# Altium PCB STM32F207VC.PcbDoc (part 11 of 16) (continued)
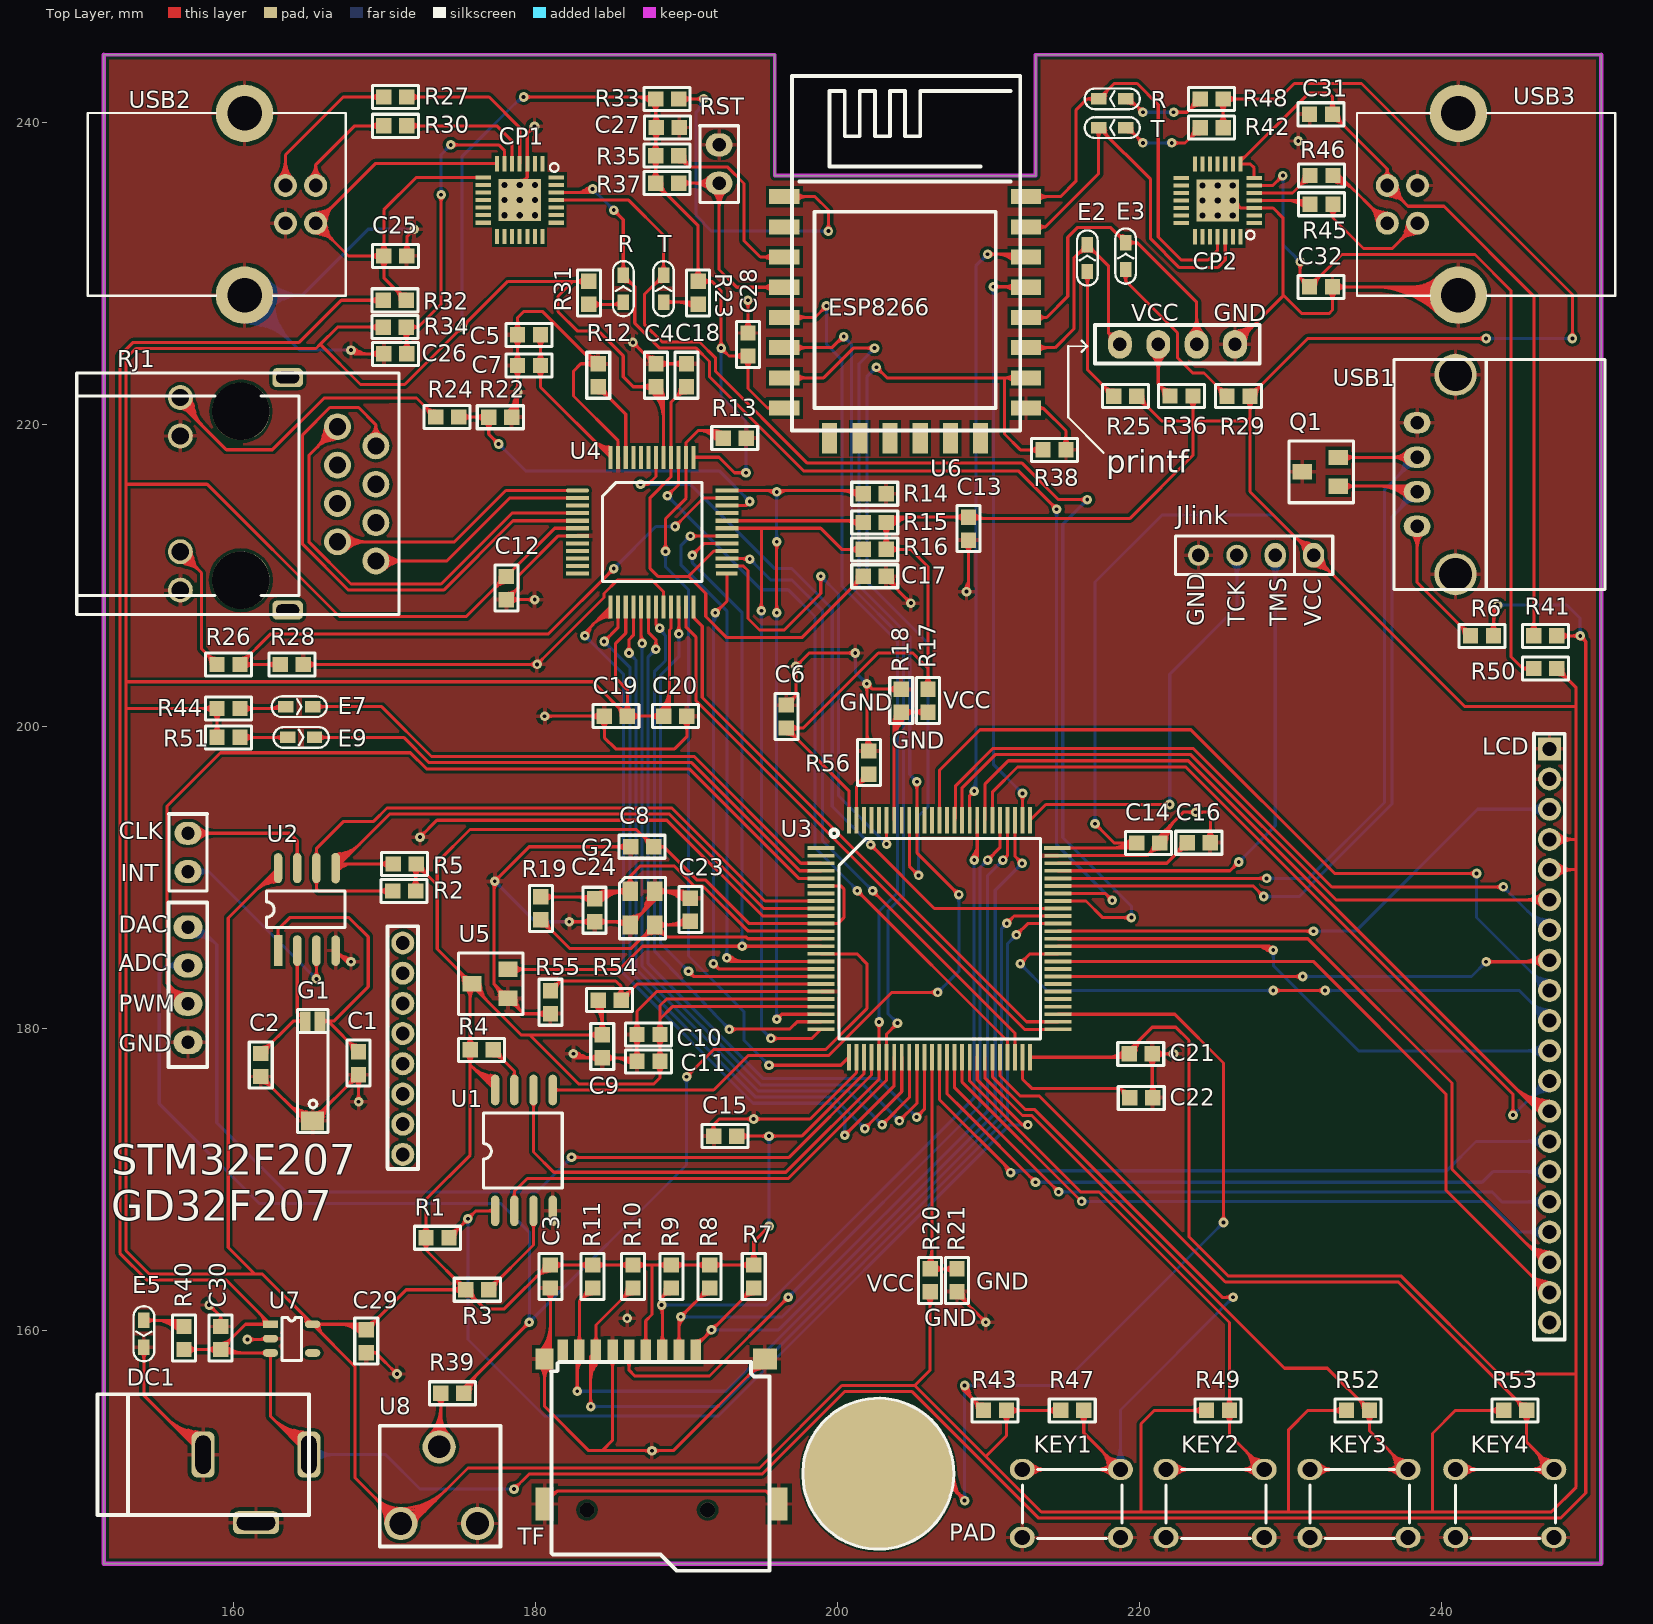
[diagram p0: Top Layer view]
## Nets (pads, with @x,y where several pads share a name; then routed paths per layer and width w, separated by ;. In a path a pad name is that pad's centre, name@x,y a point inside that pad or via, vN(x,y) a via of type N, cw(c..) or ccw(c..) an arc to the next point about the centre after c; other vN are vias at no path point) (continued)
NetR6_1: R6.1 USB1.1 | length 39.4
  Top Layer w0.203: USB1.1@238.376,213.245 238.376,209.529 R6.1@241.918,205.988 ; USB1.1@237.954,212.823 cw(c236.935,211.804) 238.376,211.804 ; USB1.1@237.954,212.823 cw(c236.935,211.804) 238.376,211.804 ; USB1.1@237.954,212.823 cw(c236.935,211.804) 238.376,211.804 ; USB1.1@237.954,212.823 cw(c236.935,211.804) 238.376,211.804 ; USB1.1@238.098,212.967 cw(c237.426,212.295) 238.376,212.295 ; USB1.1@238.098,212.967 cw(c237.426,212.295) 238.376,212.295 ; USB1.1@238.098,212.967 cw(c237.426,212.295) 238.376,212.295 ; USB1.1@238.098,212.967 cw(c237.426,212.295) 238.376,212.295 ; 238.376,211.804 cw(c239.817,211.804) USB1.1@238.798,212.823 ; 238.376,211.804 cw(c239.817,211.804) USB1.1@238.798,212.823 ; 238.376,211.804 cw(c239.817,211.804) USB1.1@238.798,212.823 ; 238.376,211.804 cw(c239.817,211.804) USB1.1@238.798,212.823 ; 238.376,212.295 cw(c239.327,212.295) USB1.1@238.655,212.967 ; 238.376,212.295 cw(c239.327,212.295) USB1.1@238.655,212.967 ; 238.376,212.295 cw(c239.327,212.295) USB1.1@238.655,212.967 ; 238.376,212.295 cw(c239.327,212.295) USB1.1@238.655,212.967 ; 241.224,206.682 cw(c240.53,205.988) R6.1@241.511,205.988 ; 241.224,206.682 ccw(c241.918,207.376) R6.1@241.918,206.394 ; 241.224,206.682 cw(c240.53,205.988) R6.1@241.511,205.988 ; 241.224,206.682 ccw(c241.918,207.376) R6.1@241.918,206.394 ; 241.224,206.682 ccw(c241.918,207.376) R6.1@241.918,206.394 ; 241.224,206.682 cw(c240.53,205.988) R6.1@241.511,205.988 ; 241.224,206.682 ccw(c241.918,207.376) R6.1@241.918,206.394 ; 241.224,206.682 cw(c240.53,205.988) R6.1@241.511,205.988 ; 241.374,206.5 ccw(c242.06,206.684) R6.1@241.918,205.988 ; 241.374,206.5 ccw(c242.06,206.684) R6.1@241.918,205.988 ; 241.374,206.5 ccw(c242.06,206.684) R6.1@241.918,205.988 ; 241.374,206.5 ccw(c242.06,206.684) R6.1@241.918,205.988 ; 241.374,206.5 ccw(c242.06,206.684) R6.1@241.918,205.988 ; 241.374,206.5 ccw(c242.06,206.684) R6.1@241.918,205.988 ; 241.406,206.532 cw(c241.222,205.846) R6.1@241.918,205.988 ; 241.406,206.532 cw(c241.222,205.846) R6.1@241.918,205.988 ; 241.406,206.532 cw(c241.222,205.846) R6.1@241.918,205.988 ; 241.406,206.532 cw(c241.222,205.846) R6.1@241.918,205.988 ; 241.406,206.532 cw(c241.222,205.846) R6.1@241.918,205.988 ; 241.406,206.532 cw(c241.222,205.846) R6.1@241.918,205.988
NetR12_2: R12.2 U4.46 | length 21
  Top Layer w0.203: U4.46@185.965,217.815 185.965,220.665 R12.2@184.144,222.487 ; R12.2@184.144,222.08 cw(c184.144,221.099) 184.838,221.793 ; R12.2@184.144,222.08 cw(c184.144,221.099) 184.838,221.793 ; R12.2@184.144,222.08 cw(c184.144,221.099) 184.838,221.793 ; R12.2@184.144,222.08 cw(c184.144,221.099) 184.838,221.793 ; R12.2@184.144,222.487 cw(c184.002,221.791) 184.688,221.975 ; R12.2@184.144,222.487 ccw(c184.84,222.629) 184.656,221.943 ; R12.2@184.144,222.487 ccw(c184.84,222.629) 184.656,221.943 ; R12.2@184.144,222.487 cw(c184.002,221.791) 184.688,221.975 ; R12.2@184.144,222.487 ccw(c184.84,222.629) 184.656,221.943 ; R12.2@184.144,222.487 cw(c184.002,221.791) 184.688,221.975 ; R12.2@184.144,222.487 cw(c184.002,221.791) 184.688,221.975 ; R12.2@184.144,222.487 ccw(c184.84,222.629) 184.656,221.943 ; R12.2@184.144,222.487 cw(c184.002,221.791) 184.688,221.975 ; R12.2@184.144,222.487 ccw(c184.84,222.629) 184.656,221.943 ; R12.2@184.144,222.487 ccw(c184.84,222.629) 184.656,221.943 ; R12.2@184.144,222.487 cw(c184.002,221.791) 184.688,221.975 ; R12.2@184.55,222.487 ccw(c185.532,222.487) 184.838,221.793 ; R12.2@184.55,222.487 ccw(c185.532,222.487) 184.838,221.793 ; R12.2@184.55,222.487 ccw(c185.532,222.487) 184.838,221.793 ; R12.2@184.55,222.487 ccw(c185.532,222.487) 184.838,221.793
NetR15_2: R15.2 U4.32 | length 18.1
  Top Layer w0.203: U4.32@192.668,213.612 201.574,213.612 R15.2@201.693,213.493 ; 200.424,213.612 cw(c200.424,212.224) R15.2@201.406,213.206 ; 200.424,213.612 cw(c200.424,212.224) R15.2@201.406,213.206 ; 200.424,213.612 cw(c200.424,212.224) R15.2@201.406,213.206 ; 200.424,213.612 cw(c200.424,212.224) R15.2@201.406,213.206 ; 200.915,213.612 cw(c200.915,212.714) R15.2@201.55,213.349 ; 200.915,213.612 cw(c200.915,212.714) R15.2@201.55,213.349 ; 200.915,213.612 cw(c200.915,212.714) R15.2@201.55,213.349 ; 200.915,213.612 cw(c200.915,212.714) R15.2@201.55,213.349 ; 201,213.612 ccw(c201,214.186) R15.2@201.406,213.78 ; 201,213.612 ccw(c201,214.186) R15.2@201.406,213.78 ; 201,213.612 ccw(c201,214.186) R15.2@201.406,213.78 ; 201,213.612 ccw(c201,214.186) R15.2@201.406,213.78
NetR24_2: R24.2 RJ1.9 | length 114.5
  Top Layer w0.203: RJ1.9@156.466,221.768 156.466,221.359 159.512,218.313 162.56,218.313 165.989,221.742 172.108,221.742 R24.2@173.372,220.478 ; RJ1.9@156.174,221.778 ccw(c156.992,221.75) 156.78,220.96 ; RJ1.9@156.174,221.778 ccw(c156.992,221.75) 156.78,220.96 ; RJ1.9@156.174,221.778 ccw(c156.992,221.75) 156.78,220.96 ; RJ1.9@156.174,221.778 ccw(c156.992,221.75) 156.78,220.96 ; RJ1.9@156.174,221.778 ccw(c156.992,221.75) 156.78,220.96 ; RJ1.9@156.423,221.662 cw(c155.718,219.913) 157.545,220.38 ; RJ1.9@156.423,221.662 cw(c155.718,219.913) 157.545,220.38 ; RJ1.9@156.423,221.662 cw(c155.718,219.913) 157.545,220.38 ; RJ1.9@156.423,221.662 cw(c155.718,219.913) 157.545,220.38 ; RJ1.9@156.423,221.662 cw(c155.718,219.913) 157.545,220.38 ; RJ1.9@156.429,221.453 cw(c156.349,220.783) 157.001,220.957 ; RJ1.9@156.429,221.453 cw(c156.349,220.783) 157.001,220.957 ; RJ1.9@156.429,221.453 cw(c156.349,220.783) 157.001,220.957 ; RJ1.9@156.429,221.453 cw(c156.349,220.783) 157.001,220.957 ; RJ1.9@156.429,221.453 cw(c156.349,220.783) 157.001,220.957 ; RJ1.9@156.429,221.453 cw(c156.349,220.783) 157.001,220.957 ; RJ1.9@156.435,221.658 cw(c156.116,220.545) 157.234,220.845 ; RJ1.9@156.435,221.658 cw(c156.116,220.545) 157.234,220.845 ; RJ1.9@156.435,221.658 cw(c156.116,220.545) 157.234,220.845 ; RJ1.9@156.435,221.658 cw(c156.116,220.545) 157.234,220.845 ; RJ1.9@156.435,221.658 cw(c156.116,220.545) 157.234,220.845 ; RJ1.9@156.435,221.658 cw(c156.116,220.545) 157.234,220.845 ; RJ1.9@156.466,221.044 cw(c156.466,220.284) 157.004,220.821 ; RJ1.9@156.466,221.044 cw(c156.466,220.284) 157.004,220.821 ; RJ1.9@156.466,221.044 cw(c156.466,220.284) 157.004,220.821 ; RJ1.9@156.466,221.044 cw(c156.466,220.284) 157.004,220.821 ; RJ1.9@156.49,221.853 cw(c156.231,220.948) 157.141,221.192 ; RJ1.9@156.49,221.853 cw(c156.231,220.948) 157.141,221.192 ; RJ1.9@156.49,221.853 cw(c156.231,220.948) 157.141,221.192 ; RJ1.9@156.49,221.853 cw(c156.231,220.948) 157.141,221.192 ; RJ1.9@156.49,221.853 cw(c156.231,220.948) 157.141,221.192 ; RJ1.9@156.49,221.853 cw(c156.231,220.948) 157.141,221.192 ; RJ1.9@156.499,221.85 cw(c155.904,220.375) 157.445,220.769 ; RJ1.9@156.499,221.85 cw(c155.904,220.375) 157.445,220.769 ; RJ1.9@156.499,221.85 cw(c155.904,220.375) 157.445,220.769 ; RJ1.9@156.499,221.85 cw(c155.904,220.375) 157.445,220.769 ; RJ1.9@156.499,221.85 cw(c155.904,220.375) 157.445,220.769 ; RJ1.9@156.575,222.039 cw(c156.091,220.837) 157.346,221.158 ; RJ1.9@156.575,222.039 cw(c156.091,220.837) 157.346,221.158 ; RJ1.9@156.575,222.039 cw(c156.091,220.837) 157.346,221.158 ; RJ1.9@156.575,222.039 cw(c156.091,220.837) 157.346,221.158 ; RJ1.9@156.575,222.039 cw(c156.091,220.837) 157.346,221.158 ; RJ1.9@156.58,221.768 ccw(c157.844,221.768) 156.95,220.875 ; RJ1.9@156.58,221.768 ccw(c157.844,221.768) 156.95,220.875 ; RJ1.9@156.58,221.768 ccw(c157.844,221.768) 156.95,220.875 ; RJ1.9@156.58,221.768 ccw(c157.844,221.768) 156.95,220.875 ; RJ1.9@156.783,221.768 ccw(c158.537,221.768) 157.297,220.528 ; RJ1.9@156.783,221.768 ccw(c158.537,221.768) 157.297,220.528 ; RJ1.9@156.783,221.768 ccw(c158.537,221.768) 157.297,220.528 ; RJ1.9@156.783,221.768 ccw(c158.537,221.768) 157.297,220.528 ; RJ1.9@156.987,221.768 ccw(c159.231,221.768) 157.644,220.181 ; RJ1.9@156.987,221.768 ccw(c159.231,221.768) 157.644,220.181 ; RJ1.9@156.987,221.768 ccw(c159.231,221.768) 157.644,220.181 ; RJ1.9@156.987,221.768 ccw(c159.231,221.768) 157.644,220.181 ; 157.023,220.874 cw(c157.7,221.056) RJ1.9@157.093,221.406 ; 157.023,220.874 cw(c157.7,221.056) RJ1.9@157.093,221.406 ; 157.023,220.874 cw(c157.7,221.056) RJ1.9@157.093,221.406 ; 157.023,220.874 cw(c157.7,221.056) RJ1.9@157.093,221.406 ; 157.023,220.874 cw(c157.7,221.056) RJ1.9@157.093,221.406 ; 157.023,220.874 cw(c157.7,221.056) RJ1.9@157.093,221.406 ; RJ1.9@157.19,221.768 ccw(c159.925,221.768) 157.991,219.834 ; RJ1.9@157.19,221.768 ccw(c159.925,221.768) 157.991,219.834 ; RJ1.9@157.19,221.768 ccw(c159.925,221.768) 157.991,219.834 ; RJ1.9@157.19,221.768 ccw(c159.925,221.768) 157.991,219.834 ; 157.228,221.056 ccw(c156.952,220.688) 156.763,221.108 cw(c156.952,220.688) 157.228,221.056 ; 157.228,221.056 cw(c157.432,221.326) 157.124,221.467 ccw(c157.432,221.326) 157.228,221.056 ; 172.679,221.172 cw(c171.985,220.478) R24.2@172.966,220.478 ; 172.679,221.172 ccw(c173.372,221.865) R24.2@173.372,220.884 ; 172.679,221.172 cw(c171.985,220.478) R24.2@172.966,220.478 ; 172.679,221.172 ccw(c173.372,221.865) R24.2@173.372,220.884 ; 172.679,221.172 ccw(c173.372,221.865) R24.2@173.372,220.884 ; 172.679,221.172 cw(c171.985,220.478) R24.2@172.966,220.478 ; 172.679,221.172 ccw(c173.372,221.865) R24.2@173.372,220.884 ; 172.679,221.172 cw(c171.985,220.478) R24.2@172.966,220.478 ; 172.829,220.99 ccw(c173.515,221.174) R24.2@173.372,220.478 ; 172.829,220.99 ccw(c173.515,221.174) R24.2@173.372,220.478 ; 172.829,220.99 ccw(c173.515,221.174) R24.2@173.372,220.478 ; 172.829,220.99 ccw(c173.515,221.174) R24.2@173.372,220.478 ; 172.829,220.99 ccw(c173.515,221.174) R24.2@173.372,220.478 ; 172.829,220.99 ccw(c173.515,221.174) R24.2@173.372,220.478 ; 172.86,221.022 cw(c172.677,220.335) R24.2@173.372,220.478 ; 172.86,221.022 cw(c172.677,220.335) R24.2@173.372,220.478 ; 172.86,221.022 cw(c172.677,220.335) R24.2@173.372,220.478 ; 172.86,221.022 cw(c172.677,220.335) R24.2@173.372,220.478 ; 172.86,221.022 cw(c172.677,220.335) R24.2@173.372,220.478 ; 172.86,221.022 cw(c172.677,220.335) R24.2@173.372,220.478
NetR26_2: R26.2 RJ1.11 | length 79.1
  Top Layer w0.203: RJ1.11@156.466,211.556 157.861,210.161 157.861,205.128 R26.2@158.894,204.095 ; RJ1.11@156.18,211.497 ccw(c157.188,211.704) 156.921,210.71 ; RJ1.11@156.18,211.497 ccw(c157.188,211.704) 156.921,210.71 ; RJ1.11@156.18,211.497 ccw(c157.188,211.704) 156.921,210.71 ; RJ1.11@156.18,211.497 ccw(c157.188,211.704) 156.921,210.71 ; RJ1.11@156.18,211.497 ccw(c157.188,211.704) 156.921,210.71 ; RJ1.11@156.379,211.538 ccw(c157.548,211.778) 157.239,210.625 ; RJ1.11@156.379,211.538 ccw(c157.548,211.778) 157.239,210.625 ; RJ1.11@156.379,211.538 ccw(c157.548,211.778) 157.239,210.625 ; RJ1.11@156.379,211.538 ccw(c157.548,211.778) 157.239,210.625 ; RJ1.11@156.379,211.538 ccw(c157.548,211.778) 157.239,210.625 ; RJ1.11@156.462,211.442 cw(c156.436,210.685) 157.168,210.881 ; RJ1.11@156.462,211.442 cw(c156.436,210.685) 157.168,210.881 ; RJ1.11@156.462,211.442 cw(c156.436,210.685) 157.168,210.881 ; RJ1.11@156.462,211.442 cw(c156.436,210.685) 157.168,210.881 ; RJ1.11@156.462,211.442 cw(c156.436,210.685) 157.168,210.881 ; RJ1.11@156.462,211.442 cw(c156.436,210.685) 157.168,210.881 ; RJ1.11@156.466,210.832 cw(c156.466,209.084) 157.702,210.32 ; RJ1.11@156.466,210.832 cw(c156.466,209.084) 157.702,210.32 ; RJ1.11@156.466,210.832 cw(c156.466,209.084) 157.702,210.32 ; RJ1.11@156.466,210.832 cw(c156.466,209.084) 157.702,210.32 ; RJ1.11@156.466,211.035 cw(c156.466,209.778) 157.355,210.667 ; RJ1.11@156.466,211.035 cw(c156.466,209.778) 157.355,210.667 ; RJ1.11@156.466,211.035 cw(c156.466,209.778) 157.355,210.667 ; RJ1.11@156.466,211.035 cw(c156.466,209.778) 157.355,210.667 ; RJ1.11@156.484,211.643 cw(c156.244,210.474) 157.397,210.783 ; RJ1.11@156.484,211.643 cw(c156.244,210.474) 157.397,210.783 ; RJ1.11@156.484,211.643 cw(c156.244,210.474) 157.397,210.783 ; RJ1.11@156.484,211.643 cw(c156.244,210.474) 157.397,210.783 ; RJ1.11@156.484,211.643 cw(c156.244,210.474) 157.397,210.783 ; RJ1.11@156.525,211.842 cw(c156.318,210.834) 157.312,211.101 ; RJ1.11@156.525,211.842 cw(c156.318,210.834) 157.312,211.101 ; RJ1.11@156.525,211.842 cw(c156.318,210.834) 157.312,211.101 ; RJ1.11@156.525,211.842 cw(c156.318,210.834) 157.312,211.101 ; RJ1.11@156.525,211.842 cw(c156.318,210.834) 157.312,211.101 ; RJ1.11@156.58,211.56 ccw(c157.337,211.586) 157.141,210.854 ; RJ1.11@156.58,211.56 ccw(c157.337,211.586) 157.141,210.854 ; RJ1.11@156.58,211.56 ccw(c157.337,211.586) 157.141,210.854 ; RJ1.11@156.58,211.56 ccw(c157.337,211.586) 157.141,210.854 ; RJ1.11@156.58,211.56 ccw(c157.337,211.586) 157.141,210.854 ; RJ1.11@156.58,211.56 ccw(c157.337,211.586) 157.141,210.854 ; RJ1.11@156.987,211.556 ccw(c158.244,211.556) 157.355,210.667 ; RJ1.11@156.987,211.556 ccw(c158.244,211.556) 157.355,210.667 ; RJ1.11@156.987,211.556 ccw(c158.244,211.556) 157.355,210.667 ; RJ1.11@156.987,211.556 ccw(c158.244,211.556) 157.355,210.667 ; RJ1.11@157.19,211.556 ccw(c158.938,211.556) 157.702,210.32 ; RJ1.11@157.19,211.556 ccw(c158.938,211.556) 157.702,210.32 ; RJ1.11@157.19,211.556 ccw(c158.938,211.556) 157.702,210.32 ; RJ1.11@157.19,211.556 ccw(c158.938,211.556) 157.702,210.32 ; 158.201,204.789 cw(c157.507,204.095) R26.2@158.488,204.095 ; 158.201,204.789 ccw(c158.894,205.482) R26.2@158.894,204.501 ; 158.201,204.789 cw(c157.507,204.095) R26.2@158.488,204.095 ; 158.201,204.789 ccw(c158.894,205.482) R26.2@158.894,204.501 ; 158.201,204.789 ccw(c158.894,205.482) R26.2@158.894,204.501 ; 158.201,204.789 cw(c157.507,204.095) R26.2@158.488,204.095 ; 158.201,204.789 ccw(c158.894,205.482) R26.2@158.894,204.501 ; 158.201,204.789 cw(c157.507,204.095) R26.2@158.488,204.095 ; 158.351,204.607 ccw(c159.037,204.791) R26.2@158.894,204.095 ; 158.351,204.607 ccw(c159.037,204.791) R26.2@158.894,204.095 ; 158.351,204.607 ccw(c159.037,204.791) R26.2@158.894,204.095 ; 158.351,204.607 ccw(c159.037,204.791) R26.2@158.894,204.095 ; 158.351,204.607 ccw(c159.037,204.791) R26.2@158.894,204.095 ; 158.351,204.607 ccw(c159.037,204.791) R26.2@158.894,204.095 ; 158.382,204.639 cw(c158.199,203.952) R26.2@158.894,204.095 ; 158.382,204.639 cw(c158.199,203.952) R26.2@158.894,204.095 ; 158.382,204.639 cw(c158.199,203.952) R26.2@158.894,204.095 ; 158.382,204.639 cw(c158.199,203.952) R26.2@158.894,204.095 ; 158.382,204.639 cw(c158.199,203.952) R26.2@158.894,204.095 ; 158.382,204.639 cw(c158.199,203.952) R26.2@158.894,204.095
NetR33_2: R33.2 U6.1 | length 56.9
  Top Layer w0.203: R33.2@189.467,241.548 v1(191.141,241.548) ; U6.1@196.468,235.076 198.502,235.076 199.39,234.188 v1(199.39,232.791) ; R33.2@189.754,241.261 cw(c190.448,240.567) 190.448,241.548 ; R33.2@189.754,241.261 cw(c190.448,240.567) 190.448,241.548 ; R33.2@189.754,241.261 cw(c190.448,240.567) 190.448,241.548 ; R33.2@189.754,241.261 cw(c190.448,240.567) 190.448,241.548 ; R33.2@189.754,241.835 ccw(c190.448,242.529) 190.448,241.548 ; R33.2@189.754,241.835 ccw(c190.448,242.529) 190.448,241.548 ; R33.2@189.754,241.835 ccw(c190.448,242.529) 190.448,241.548 ; R33.2@189.754,241.835 ccw(c190.448,242.529) 190.448,241.548 ; 190.62,241.548 cw(c190.62,241.027) v1@190.988,241.395 ; 190.62,241.548 ccw(c190.62,242.069) v1@190.988,241.701 ; 190.62,241.548 cw(c190.62,241.027) v1@190.988,241.395 ; 190.62,241.548 ccw(c190.62,242.069) v1@190.988,241.701 ; 190.62,241.548 ccw(c190.62,242.069) v1@190.988,241.701 ; 190.62,241.548 cw(c190.62,241.027) v1@190.988,241.395 ; 190.62,241.548 ccw(c190.62,242.069) v1@190.988,241.701 ; 190.62,241.548 cw(c190.62,241.027) v1@190.988,241.395 ; U6.1@197.25,234.795 cw(c197.93,234.115) 197.93,235.076 ; U6.1@197.25,234.795 cw(c197.93,234.115) 197.93,235.076 ; U6.1@197.25,234.795 cw(c197.93,234.115) 197.93,235.076 ; U6.1@197.25,234.795 cw(c197.93,234.115) 197.93,235.076 ; U6.1@197.25,235.358 ccw(c197.93,236.038) 197.93,235.076 ; U6.1@197.25,235.358 ccw(c197.93,236.038) 197.93,235.076 ; U6.1@197.25,235.358 ccw(c197.93,236.038) 197.93,235.076 ; U6.1@197.25,235.358 ccw(c197.93,236.038) 197.93,235.076 ; v1@199.237,232.944 ccw(c198.869,233.312) 199.39,233.312 ; v1@199.237,232.944 ccw(c198.869,233.312) 199.39,233.312 ; v1@199.237,232.944 ccw(c198.869,233.312) 199.39,233.312 ; v1@199.237,232.944 ccw(c198.869,233.312) 199.39,233.312 ; 199.39,233.312 ccw(c199.911,233.312) v1@199.543,232.944 ; 199.39,233.312 ccw(c199.911,233.312) v1@199.543,232.944 ; 199.39,233.312 ccw(c199.911,233.312) v1@199.543,232.944 ; 199.39,233.312 ccw(c199.911,233.312) v1@199.543,232.944
  Bottom Layer w0.203: v1(191.141,241.548) 191.141,241.179 ; v1(199.39,232.791) 191.643,232.791 190.627,233.807 190.627,240.665 ; 190.627,240.665 ccw(c189.888,241.404) v1@190.926,241.523 ; 190.627,240.665 ccw(c189.888,241.404) v1@190.926,241.523 ; 190.627,240.665 ccw(c189.888,241.404) v1@190.926,241.523 ; 190.627,240.665 ccw(c189.888,241.404) v1@190.926,241.523 ; 190.627,240.665 191.141,241.179 ; 190.925,240.963 ccw(c190.422,241.466) v1@191.128,241.547 ; 190.925,240.963 ccw(c190.422,241.466) v1@191.128,241.547 ; 190.925,240.963 ccw(c190.422,241.466) v1@191.128,241.547 ; 190.925,240.963 ccw(c190.422,241.466) v1@191.128,241.547 ; v1@190.986,241.398 cw(c190.769,241.187) 191.068,241.143 ; v1@190.986,241.398 cw(c190.769,241.187) 191.068,241.143 ; v1@190.986,241.398 cw(c190.769,241.187) 191.068,241.143 ; v1@190.986,241.398 cw(c190.769,241.187) 191.068,241.143 ; v1@190.986,241.398 cw(c190.769,241.187) 191.068,241.143 ; v1@190.986,241.398 cw(c190.769,241.187) 191.068,241.143 ; v1@191.035,241.36 cw(c190.933,241.179) 191.141,241.179 ; v1@191.035,241.36 cw(c190.933,241.179) 191.141,241.179 ; v1@191.035,241.36 cw(c190.933,241.179) 191.141,241.179 ; v1@191.035,241.36 cw(c190.933,241.179) 191.141,241.179 ; 191.068,241.143 cw(c191.335,241.103) v1@191.227,241.35 ; 191.068,241.143 cw(c191.335,241.103) v1@191.227,241.35 ; 191.068,241.143 cw(c191.335,241.103) v1@191.227,241.35 ; 191.068,241.143 cw(c191.335,241.103) v1@191.227,241.35 ; 191.068,241.143 cw(c191.335,241.103) v1@191.227,241.35 ; 191.068,241.143 cw(c191.335,241.103) v1@191.227,241.35 ; 191.141,241.179 cw(c191.348,241.179) v1@191.247,241.36 ; 191.141,241.179 cw(c191.348,241.179) v1@191.247,241.36 ; 191.141,241.179 cw(c191.348,241.179) v1@191.247,241.36 ; 191.141,241.179 cw(c191.348,241.179) v1@191.247,241.36 ; 198.869,232.791 cw(c198.869,232.27) v1@199.237,232.638 ; 198.869,232.791 ccw(c198.869,233.312) v1@199.237,232.944 ; 198.869,232.791 cw(c198.869,232.27) v1@199.237,232.638 ; 198.869,232.791 ccw(c198.869,233.312) v1@199.237,232.944 ; 198.869,232.791 ccw(c198.869,233.312) v1@199.237,232.944 ; 198.869,232.791 cw(c198.869,232.27) v1@199.237,232.638 ; 198.869,232.791 ccw(c198.869,233.312) v1@199.237,232.944 ; 198.869,232.791 cw(c198.869,232.27) v1@199.237,232.638
NetR35_2: R35.2 U6.3 | length 33.6
  Top Layer w0.203: U6.3@196.468,231.077 194.881,231.077 193.802,232.156 193.802,235.951 192.72,237.033 190.226,237.033 R35.2@189.467,237.792 ; R35.2@189.467,237.386 cw(c189.467,236.405) 190.16,237.099 ; R35.2@189.467,237.386 cw(c189.467,236.405) 190.16,237.099 ; R35.2@189.467,237.386 cw(c189.467,236.405) 190.16,237.099 ; R35.2@189.467,237.386 cw(c189.467,236.405) 190.16,237.099 ; R35.2@189.467,237.792 cw(c189.324,237.096) 190.01,237.28 ; R35.2@189.467,237.792 cw(c189.324,237.096) 190.01,237.28 ; R35.2@189.467,237.792 ccw(c190.162,237.935) 189.979,237.249 ; R35.2@189.467,237.792 ccw(c190.162,237.935) 189.979,237.249 ; R35.2@189.467,237.792 cw(c189.324,237.096) 190.01,237.28 ; R35.2@189.467,237.792 ccw(c190.162,237.935) 189.979,237.249 ; R35.2@189.467,237.792 ccw(c190.162,237.935) 189.979,237.249 ; R35.2@189.467,237.792 ccw(c190.162,237.935) 189.979,237.249 ; R35.2@189.467,237.792 ccw(c190.162,237.935) 189.979,237.249 ; R35.2@189.467,237.792 cw(c189.324,237.096) 190.01,237.28 ; R35.2@189.467,237.792 cw(c189.324,237.096) 190.01,237.28 ; R35.2@189.467,237.792 cw(c189.324,237.096) 190.01,237.28 ; R35.2@189.873,237.792 ccw(c190.854,237.792) 190.16,237.099 ; R35.2@189.873,237.792 ccw(c190.854,237.792) 190.16,237.099 ; R35.2@189.873,237.792 ccw(c190.854,237.792) 190.16,237.099 ; R35.2@189.873,237.792 ccw(c190.854,237.792) 190.16,237.099 ; 195.007,231.077 cw(c195.007,230.115) U6.3@195.687,230.796 ; 195.007,231.077 ccw(c195.007,232.039) U6.3@195.687,231.359 ; 195.007,231.077 cw(c195.007,230.115) U6.3@195.687,230.796 ; 195.007,231.077 ccw(c195.007,232.039) U6.3@195.687,231.359 ; 195.007,231.077 ccw(c195.007,232.039) U6.3@195.687,231.359 ; 195.007,231.077 cw(c195.007,230.115) U6.3@195.687,230.796 ; 195.007,231.077 ccw(c195.007,232.039) U6.3@195.687,231.359 ; 195.007,231.077 cw(c195.007,230.115) U6.3@195.687,230.796
NetR39_1: R39.1 U8.2 | length 15.2
  Top Layer w0.203: U8.2@172.903,152.979 ccw(c170.934,154.948) 173.719,154.948 ; U8.2@173.047,152.835 ccw(c171.425,154.457) 173.719,154.457 ; U8.2@173.19,152.692 ccw(c171.915,153.967) 173.719,153.967 ; U8.2@173.334,152.548 ccw(c172.406,153.476) 173.719,153.476 ; R39.1@173.431,155.536 cw(c172.737,154.842) 173.719,154.842 cw(c174.7,154.842) R39.1@174.006,155.536 ; U8.2@173.609,152.273 173.719,152.383 R39.1@173.719,155.823 ; 173.719,153.438 ccw(c174.774,153.438) U8.2@174.028,152.692 ; 173.719,153.928 ccw(c175.264,153.928) U8.2@174.171,152.835 ; 173.719,154.419 ccw(c175.755,154.419) U8.2@174.315,152.979
NetR54_2: R54.2 R55.2 U3.19 | length 46.4
  Top Layer w0.203: R55.2@180.981,182.482 181.633,183.134 ; U3.19@198.895,182.928 186.727,182.928 R54.2@185.657,181.858 ; R55.2@180.999,182.888 ccw(c181.037,183.731) 181.633,183.134 ; R55.2@180.999,182.888 ccw(c181.037,183.731) 181.633,183.134 ; R55.2@180.999,182.888 ccw(c181.037,183.731) 181.633,183.134 ; R55.2@180.999,182.888 ccw(c181.037,183.731) 181.633,183.134 ; R55.2@181.387,182.5 cw(c182.23,182.537) 181.633,183.134 ; R55.2@181.387,182.5 cw(c182.23,182.537) 181.633,183.134 ; R55.2@181.387,182.5 cw(c182.23,182.537) 181.633,183.134 ; R55.2@181.387,182.5 cw(c182.23,182.537) 181.633,183.134 ; 181.633,183.134 185.293,183.134 185.657,182.77 ; R54.2@185.385,182.16 ccw(c184.836,182.77) 185.657,182.77 ; R54.2@185.385,182.16 ccw(c184.836,182.77) 185.657,182.77 ; R54.2@185.385,182.16 ccw(c184.836,182.77) 185.657,182.77 ; R54.2@185.385,182.16 ccw(c184.836,182.77) 185.657,182.77 ; R54.2@185.657,181.858 cw(c186.352,181.716) 186.169,182.402 ; R54.2@185.657,181.858 ccw(c185.514,182.554) 186.2,182.37 ; R54.2@185.657,181.858 ccw(c185.514,182.554) 186.2,182.37 ; R54.2@185.657,181.858 cw(c186.352,181.716) 186.169,182.402 ; R54.2@185.657,181.858 ccw(c185.514,182.554) 186.2,182.37 ; R54.2@185.657,181.858 cw(c186.352,181.716) 186.169,182.402 ; R54.2@185.657,181.858 cw(c186.352,181.716) 186.169,182.402 ; R54.2@185.657,181.858 ccw(c185.514,182.554) 186.2,182.37 ; R54.2@185.657,181.858 cw(c186.352,181.716) 186.169,182.402 ; R54.2@185.657,181.858 ccw(c185.514,182.554) 186.2,182.37 ; R54.2@185.657,181.858 ccw(c185.514,182.554) 186.2,182.37 ; R54.2@185.657,181.858 cw(c186.352,181.716) 186.169,182.402 ; R54.2@185.657,181.858 185.657,182.77 ; R54.2@185.657,182.264 ccw(c185.657,183.246) 186.35,182.552 ; R54.2@185.657,182.264 ccw(c185.657,183.246) 186.35,182.552 ; R54.2@185.657,182.264 ccw(c185.657,183.246) 186.35,182.552 ; R54.2@185.657,182.264 ccw(c185.657,183.246) 186.35,182.552 ; 185.657,182.77 ccw(c186.477,182.77) R54.2@185.928,182.16 ; 185.657,182.77 ccw(c186.477,182.77) R54.2@185.928,182.16 ; 185.657,182.77 ccw(c186.477,182.77) R54.2@185.928,182.16 ; 185.657,182.77 ccw(c186.477,182.77) R54.2@185.928,182.16 ; R54.2@186.063,181.858 cw(c187.044,181.858) 186.35,182.552 ; R54.2@186.063,181.858 cw(c187.044,181.858) 186.35,182.552 ; R54.2@186.063,181.858 cw(c187.044,181.858) 186.35,182.552 ; R54.2@186.063,181.858 cw(c187.044,181.858) 186.35,182.552
NetR56_1: R56.1 U3.99 | length 19
  Top Layer w0.203: U3.99@201.245,193.778 201.245,196.014 R56.1@202.063,196.833 ; 201.369,196.139 cw(c202.063,195.445) R56.1@202.063,196.426 ; 201.369,196.139 ccw(c200.675,196.833) R56.1@201.657,196.833 ; 201.369,196.139 cw(c202.063,195.445) R56.1@202.063,196.426 ; 201.369,196.139 ccw(c200.675,196.833) R56.1@201.657,196.833 ; 201.369,196.139 ccw(c200.675,196.833) R56.1@201.657,196.833 ; 201.369,196.139 cw(c202.063,195.445) R56.1@202.063,196.426 ; 201.369,196.139 ccw(c200.675,196.833) R56.1@201.657,196.833 ; 201.369,196.139 cw(c202.063,195.445) R56.1@202.063,196.426 ; 201.519,196.321 cw(c202.205,196.137) R56.1@202.063,196.833 ; 201.519,196.321 cw(c202.205,196.137) R56.1@202.063,196.833 ; 201.519,196.321 cw(c202.205,196.137) R56.1@202.063,196.833 ; 201.519,196.321 cw(c202.205,196.137) R56.1@202.063,196.833 ; 201.519,196.321 cw(c202.205,196.137) R56.1@202.063,196.833 ; 201.519,196.321 cw(c202.205,196.137) R56.1@202.063,196.833 ; 201.551,196.289 ccw(c201.367,196.975) R56.1@202.063,196.833 ; 201.551,196.289 ccw(c201.367,196.975) R56.1@202.063,196.833 ; 201.551,196.289 ccw(c201.367,196.975) R56.1@202.063,196.833 ; 201.551,196.289 ccw(c201.367,196.975) R56.1@202.063,196.833 ; 201.551,196.289 ccw(c201.367,196.975) R56.1@202.063,196.833 ; 201.551,196.289 ccw(c201.367,196.975) R56.1@202.063,196.833